# Altium PCB Robot Controller.PcbDoc (part 1 of 2)
Units mil, origin at the board's own origin, x right, y up, seen from the top; angles counter-clockwise.
Board outline 9536.28 x 6487.66 mil, 2 copper layers (Top Layer, Bottom Layer); 219 components, 126 nets, 623 pads, 158 vias.
Unrouted connection lines stored in the file: 51.
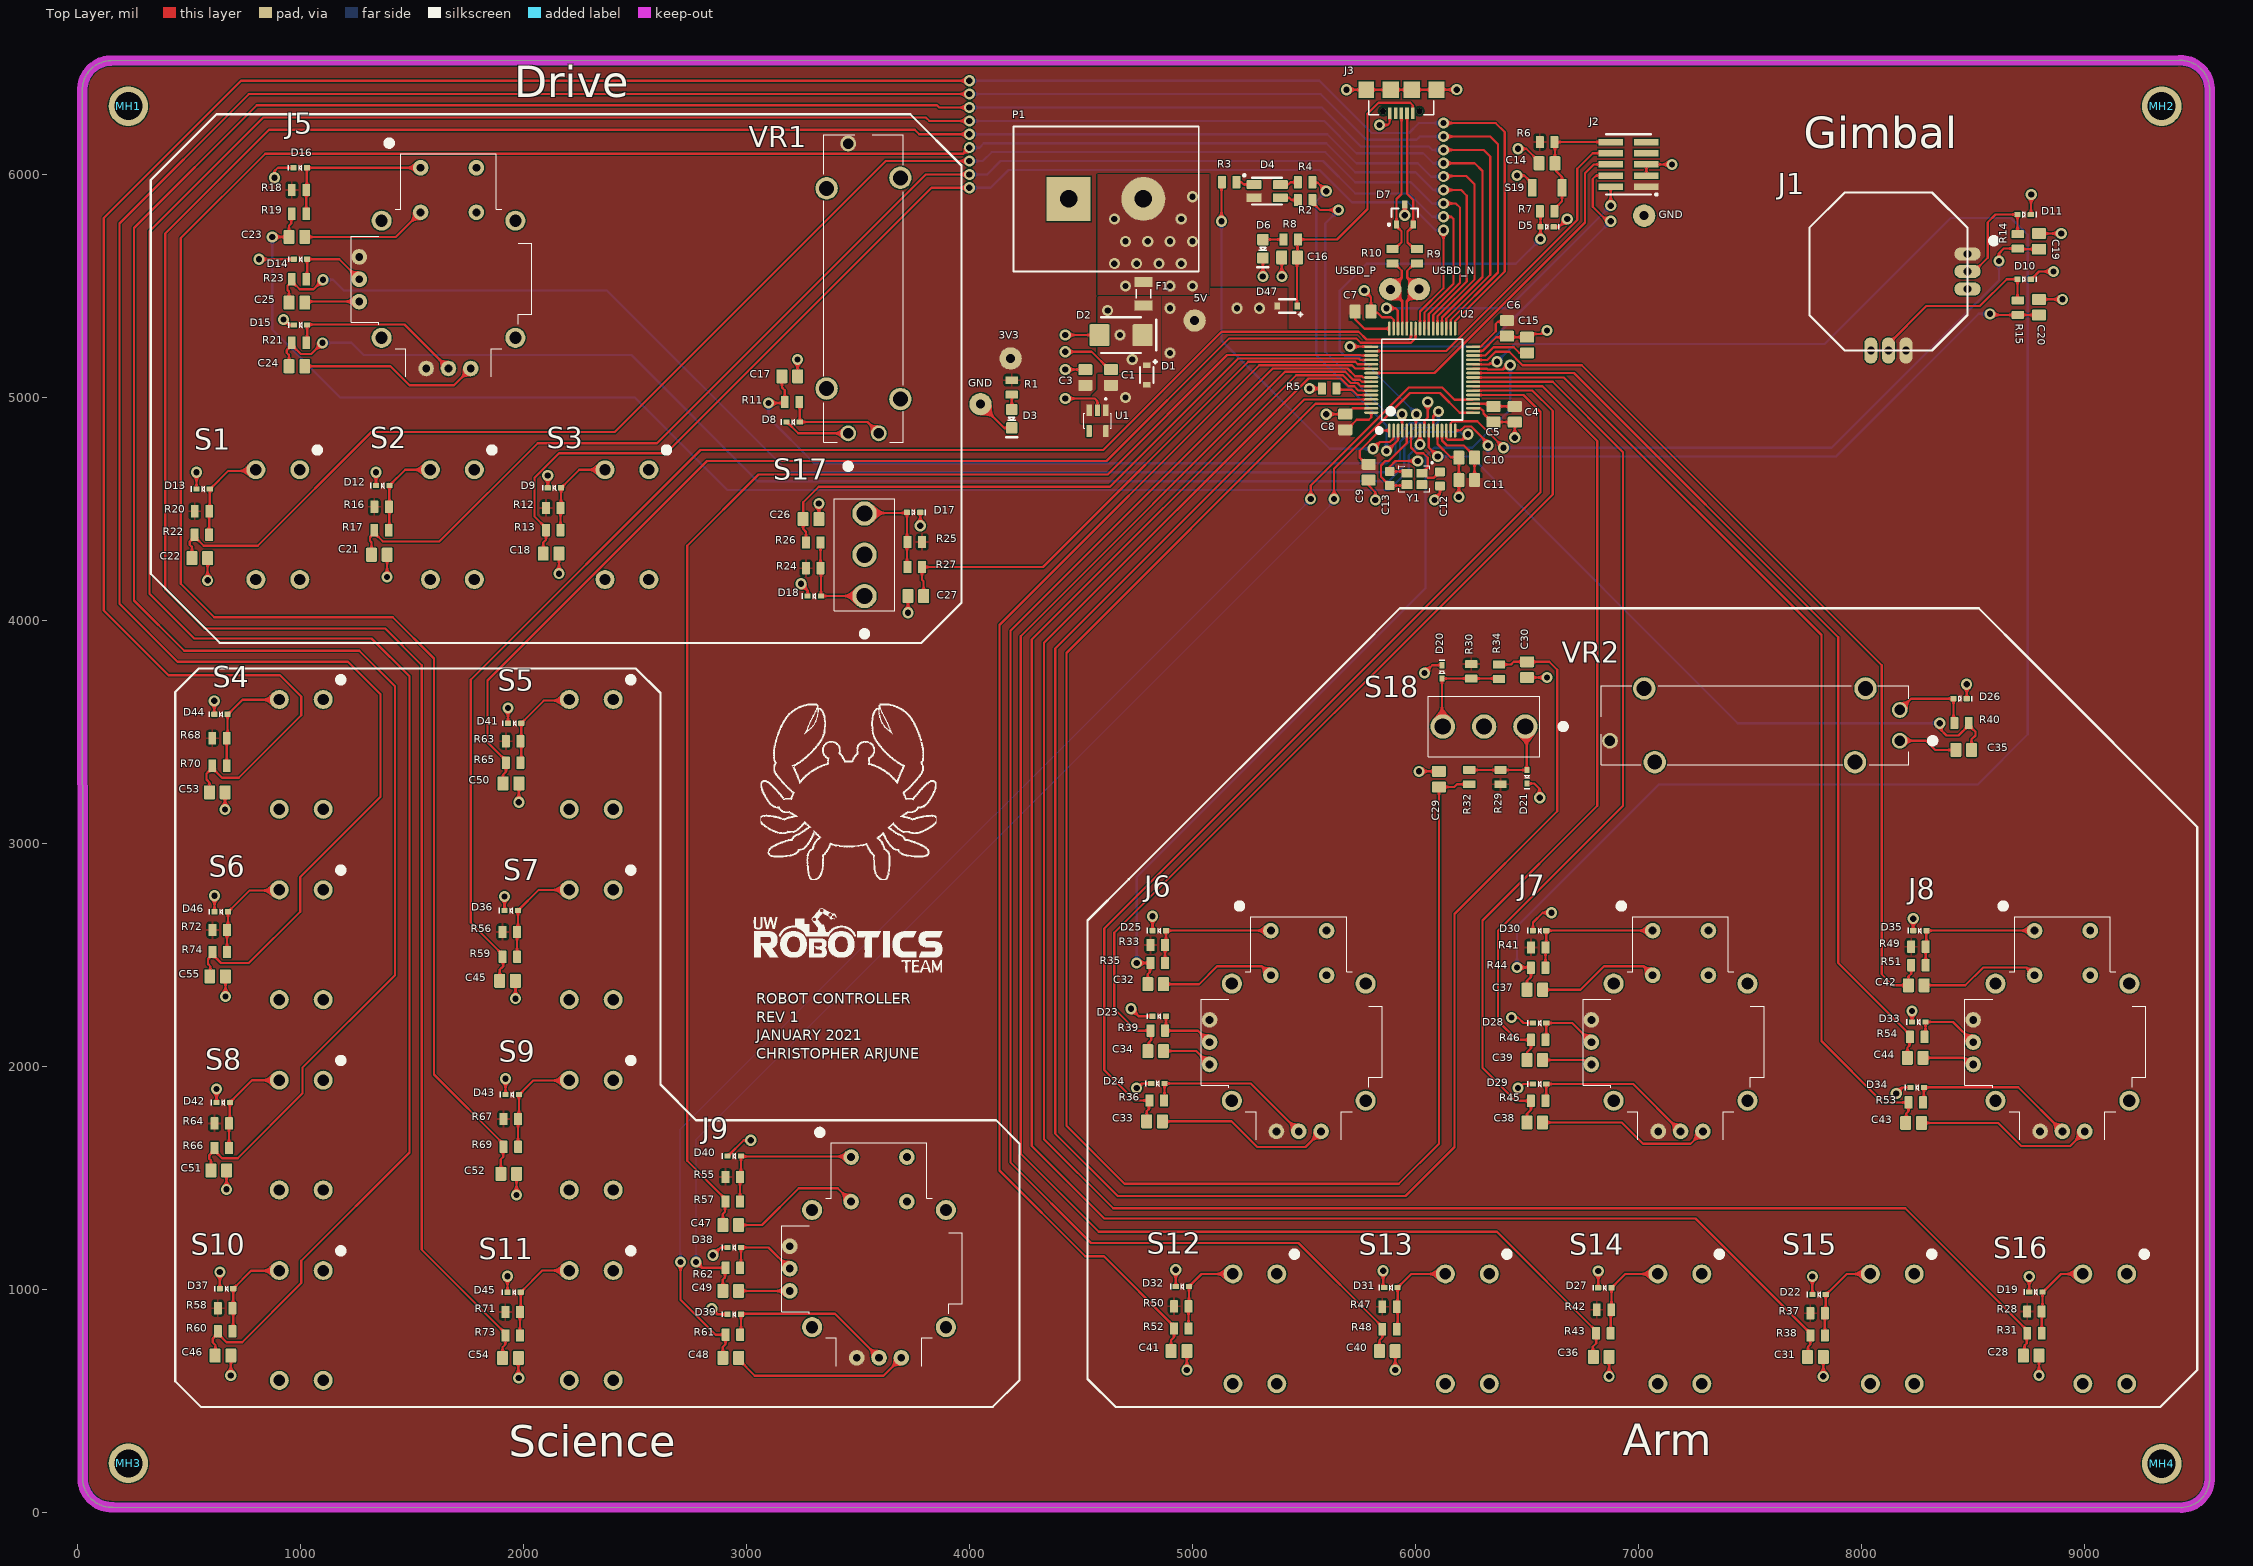
[diagram p0: Top Layer view]
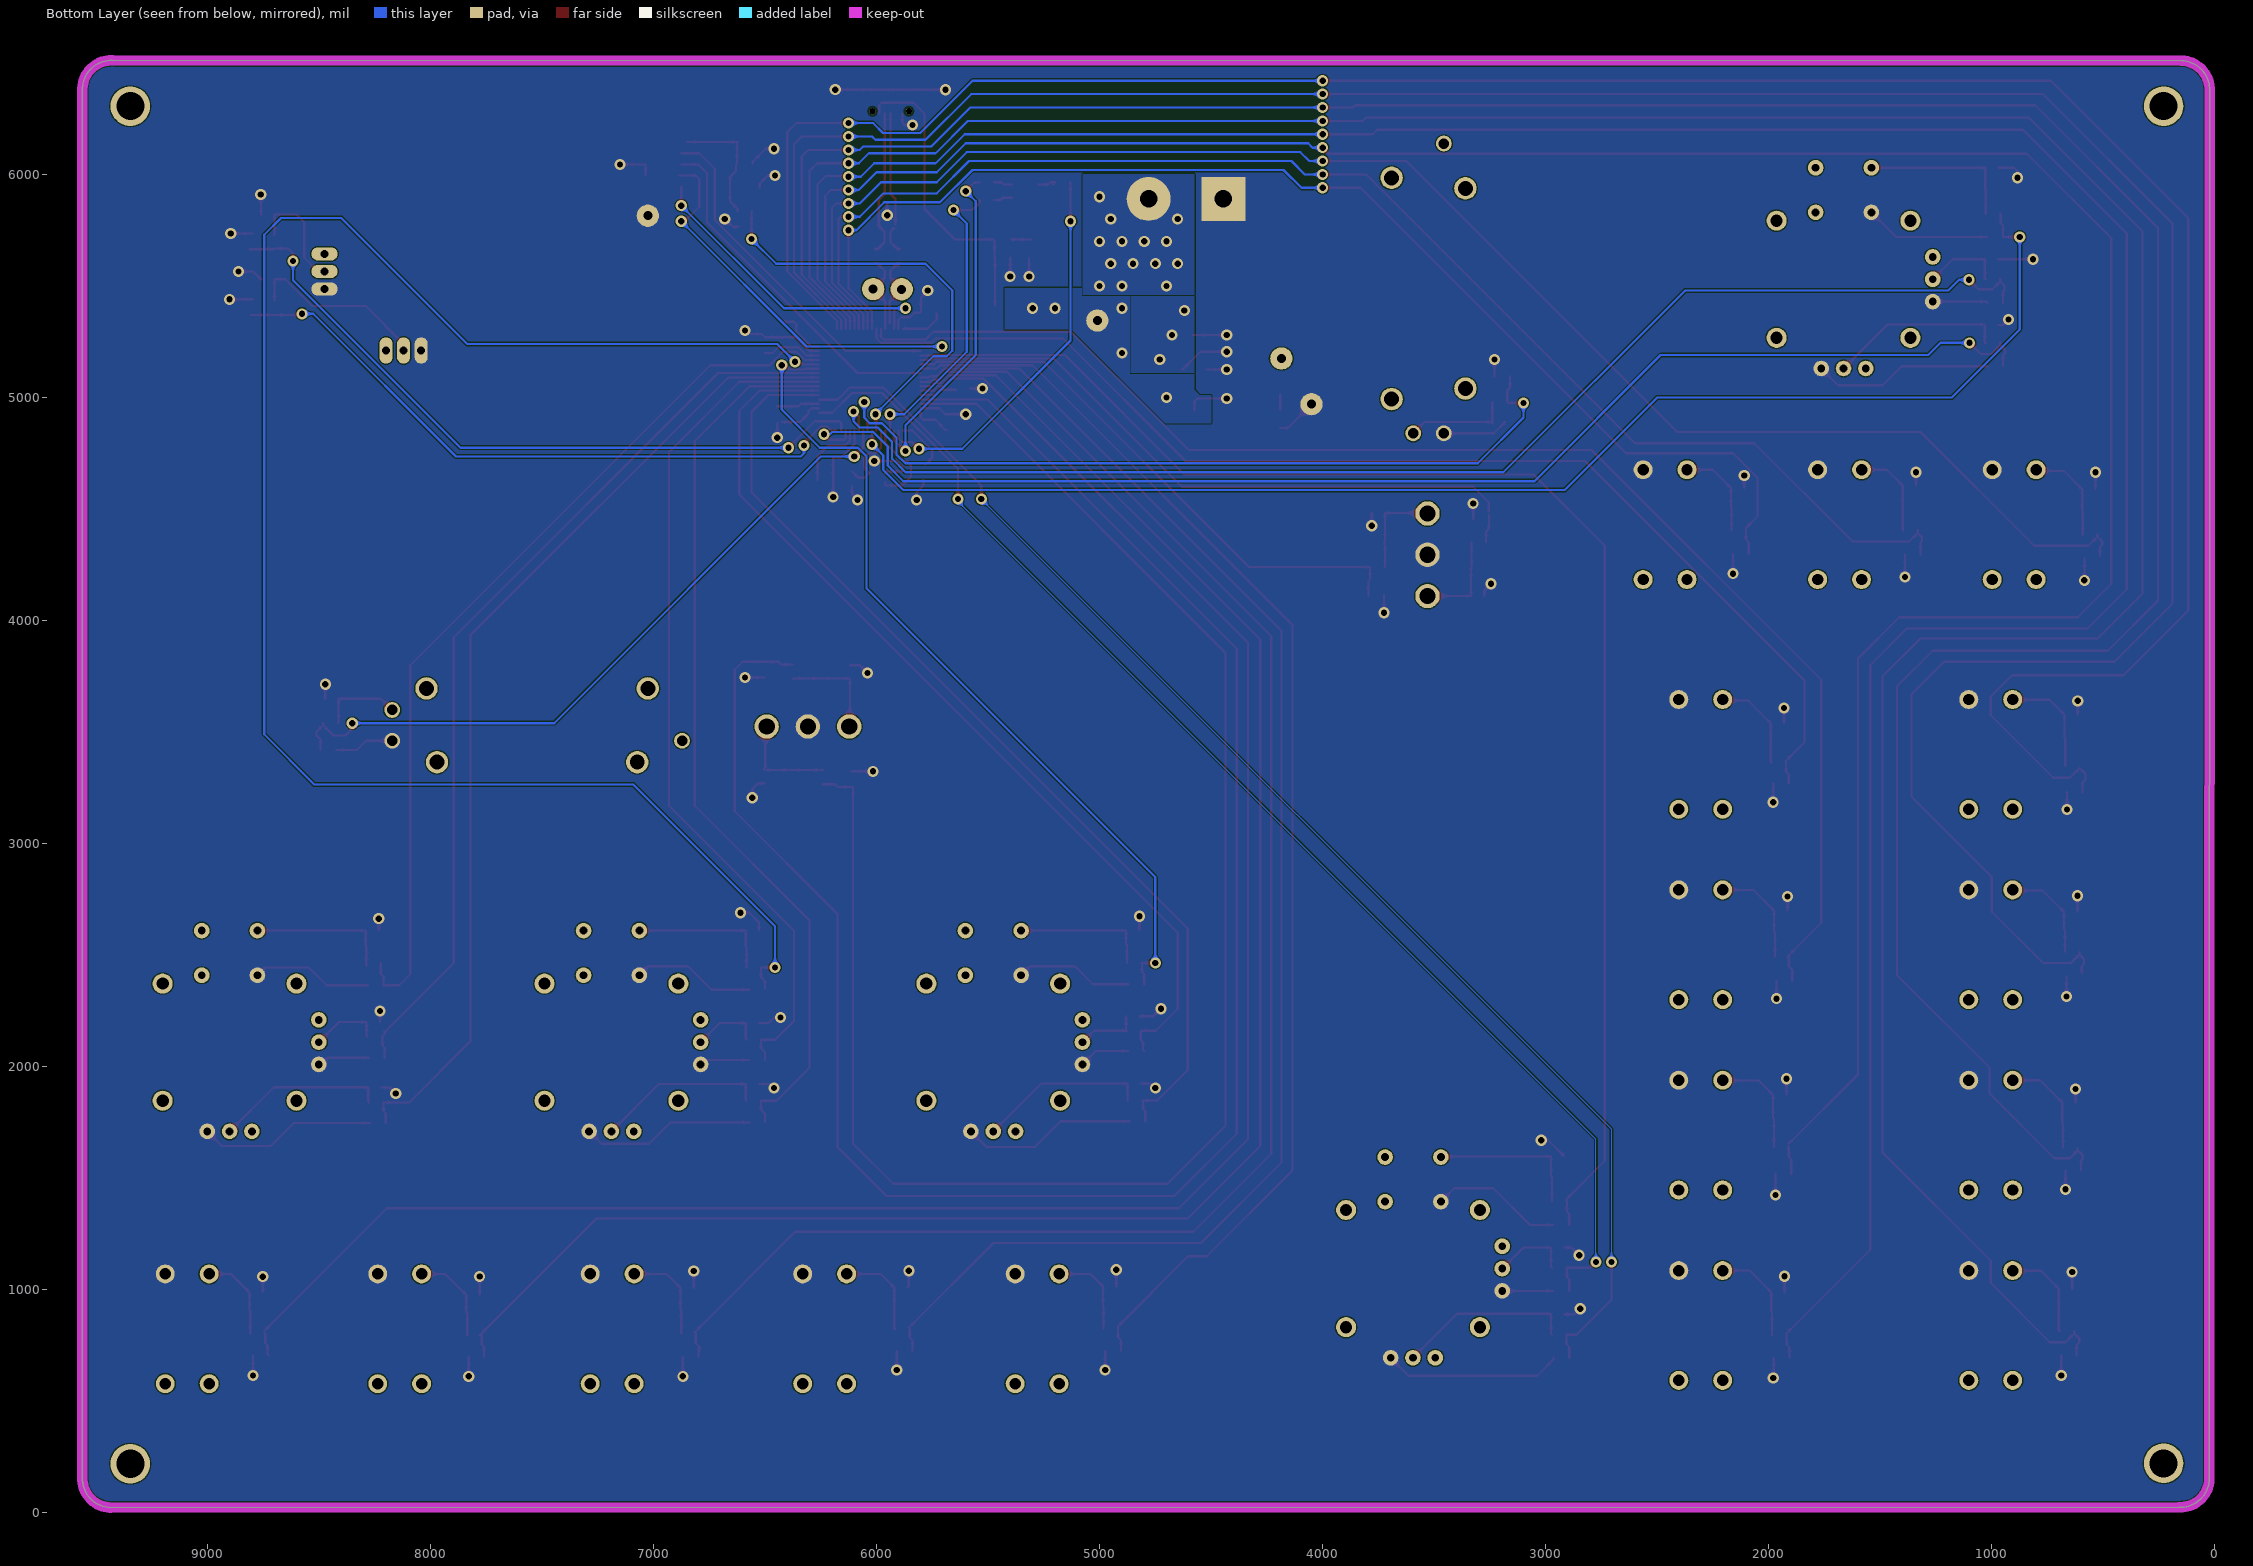
[diagram p1: Bottom Layer view, seen from below]
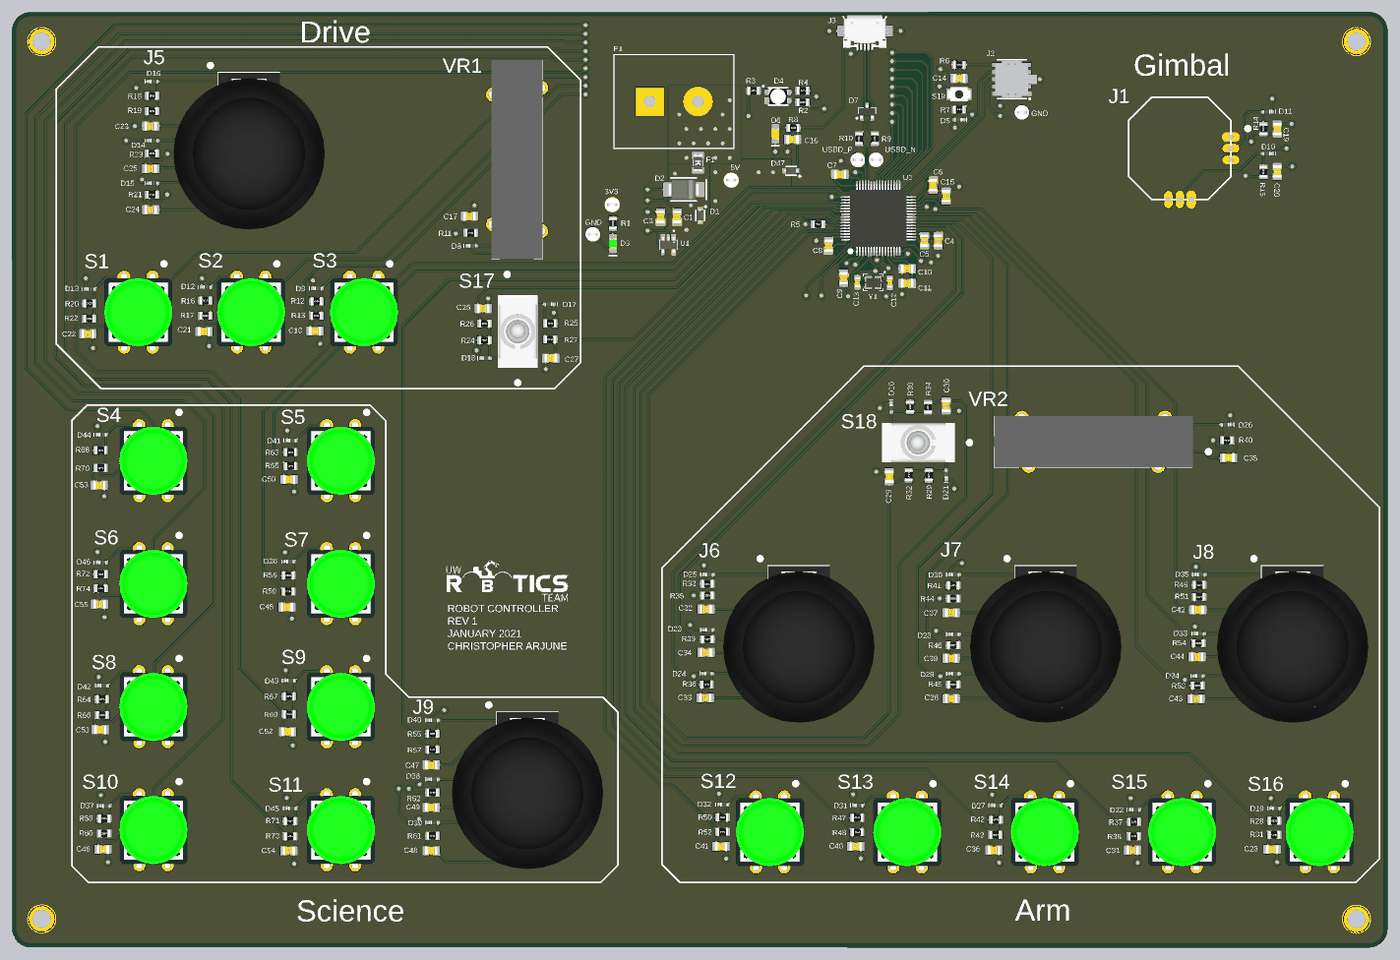
[diagram p3: 3D render of the assembled board from above, using the file's embedded part models]

## Layer stack, top to bottom
Top Solder: solder mask 0.4, Solder Resist, Dk 3.5
Top Layer: signal copper 1.4
Dielectric 1: dielectric 12.6, FR-4, Dk 4.8
Bottom Layer: signal copper 1.4
Bottom Solder: solder mask 0.4, Solder Resist, Dk 3.5

## Board outline
25,150 23.72,6375 cw(c153.72,6380) 148.72,6510 9425,6511.28 cw(c9430,6381.28) 9560,6386.28 9560,158.62 cw(c9430,153.62) 9435,23.62 160,25 cw(c155,155)

## Design rules (kind name [scope] priority, off if disabled: settings)
BoardOutlineClearance [All] p1: gap=7.87 ignorepadtopadclearanceinfootprint=FALSE
Clearance [All] p1: gap=5 ignorepadtopadclearanceinfootprint=TRUE except(9.84: Arc-Hole Track-Hole SMDPad-Hole THPad-Hole Via-Hole Fill-Hole Poly-Hole Region-Hole Text-Hole)
ComponentClearance [All] p1: gap=5 collisioncheckmode=3 verticalgap=5 showdistances=TRUE
DiffPairsRouting [All] p1: maxlimit=10 minlimit=5 mostfreqgap=5 toplayer_minwidth=5 toplayer_maxwidth=1000 toplayer_prefwidth=5 bottomlayer_minwidth=5 bottomlayer_maxwidth=1000 bottomlayer_prefwidth=5 maxuncoupledlength=500
Height [All] p1: minheight=0 maxheight=71497.94 prefheight=500
HoleSize [All] p1: absolutevalues=TRUE maxlimit=248.03 minlimit=11.81 maxpercent=80.000 minpercent=20.000
HoleToHoleClearance [All] p1: gap=9.84 allowstackedmicrovias=FALSE
MinimumAnnularRing [All] p1: minimumring=3
MinimumSolderMaskSliver [All] p1: minsoldermaskwidth=0
PlaneClearance [All] p1: clearance=5
PlaneConnect PlaneConnectPowerPads [InPadClass('PowerPads')] p1: planeconnectstyle=Direct reliefexpansion=20 reliefentries=4 reliefconductorwidth=10 reliefairgap=10
PlaneConnect [All] p2: planeconnectstyle=Direct reliefexpansion=11.81 reliefentries=4 reliefconductorwidth=5 reliefairgap=5
PolygonConnect PolygonConnectPowerPads [All vs (InPadClass('PowerPads'))] p1: connectstyle=Direct reliefconductorwidth=10 reliefentries=4 polygonreliefangle="90 Angle" airgapwidth=10
PolygonConnect [All] p2: connectstyle=Direct reliefconductorwidth=5 reliefentries=4 polygonreliefangle="90 Angle" airgapwidth=5
RoutingVias [All] p1: holewidth=11.81 width=23.62 viastyle="Through Hole" minholewidth=11.81 minwidth=23.62 maxholewidth=23.62 maxwidth=259.84
SilkToSilkClearance [All] p1: silktosilkclearance=0
SilkToSolderMaskClearance [IsPad] p1: minsilkscreentomaskgap=5 clearancetoexposedcopper=TRUE
SolderMaskExpansion [All] p1: expansion=2.95 istentingtop=FALSE
Width [All] p1: maxlimit=1000 minlimit=5 preferedwidth=5 minimp=50.000000 maximp=50.000000 favimp=50.000000
20 further rules are at their usual default settings.

## Classes and differential pairs
differential pair USBD: +USBD_P -USBD_N
differential pair USBD_R: +USBD_R_P -USBD_R_N

## Components (designator, comment, footprint, x,y, rotation, side; value= is the part's Value field where it differs from the comment)
3V3 "TESTPOINT_LOOP" TESTPOINT_LOOP 4185,5175 r0 top (schematic designator TP2)
5V "TESTPOINT_LOOP" TESTPOINT_LOOP 5010,5345 r0 top (schematic designator TP1)
C1 "CAP_1uF_50V_0805" CAP2012 4635,5089.76 r90 top value=1µF
C3 "CAP_1uF_50V_0805" CAP2012 4520,5089.76 r90 top value=1µF
C4 "CAP_0.1uF_50V_0805" CAP2012 6445,4925 r90 top value=0.1µF
C5 "CAP_0.1uF_50V_0805" CAP2012 6350,4925 r90 top value=0.1µF
C6 "CAP_0.1uF_50V_0805" CAP2012 6410,5310 r90 top value=0.1µF
C7 "CAP_0.1uF_50V_0805" CAP2012 5765,5385 r180 top value=0.1µF
C8 "CAP_4.7uF_16V_0805" CAP2012 5685,4890 r270 top value=4.7µF
C9 "CAP_0.1uF_50V_0805" CAP2012 5790,4665 r90 top value=0.1µF
C10 "CAP_0.1uF_50V_0805" CAP2012 6229.76,4730 r0 top value=0.1µF
C11 "CAP_1uF_50V_0805" CAP2012 6229.53,4630 r0 top value=1µF
C12 "CAP_14pF_50V_0603" CAP0603 6110,4635 r90 top value=14pF
C13 "CAP_14pF_50V_0603" CAP0603 5885,4636.5 r270 top value=14pF
C14 "CAP_1uF_50V_0805" CAP2012 6589.76,6050 r0 top value=1µF
C15 "CAP_4.7uF_16V_0805" CAP2012 6500,5235 r270 top value=4.7µF
C16 "CAP_0.1uF_50V_0805" CAP2012 5435.54,5627.83 r180 top value=0.1µF
C17 "CAP_1uF_50V_0805" CAP2012 3195,5095 r180 top value=1µF
C18 "CAP_1uF_50V_0805" CAP2012 2125,4300 r180 top value=1µF
C19 "CAP_1uF_50V_0805" CAP2012 8795,5699.76 r270 top value=1µF
C20 "CAP_1uF_50V_0805" CAP2012 8795,5404.76 r270 top value=1µF
C21 "CAP_1uF_50V_0805" CAP2012 1355,4295 r180 top value=1µF
C22 "CAP_1uF_50V_0805" CAP2012 550,4280 r180 top value=1µF
C23 "CAP_1uF_50V_0805" CAP2012 985.35,5720 r180 top value=1µF
C24 "CAP_1uF_50V_0805" CAP2012 985.35,5140 r180 top value=1µF
C25 "CAP_1uF_50V_0805" CAP2012 985.35,5425 r180 top value=1µF
C26 "CAP_1uF_50V_0805" CAP2012 3290,4455 r180 top value=1µF
C27 "CAP_1uF_50V_0805" CAP2012 3760,4110 r0 top value=1µF
C28 "CAP_1uF_50V_0805" CAP2012 8760,705 r180 top value=1µF
C29 "CAP_1uF_50V_0805" CAP2012 6105,3288.86 r270 top value=1µF
C30 "CAP_1uF_50V_0805" CAP2012 6500,3780 r90 top value=1µF
C31 "CAP_1uF_50V_0805" CAP2012 7792.83,699.15 r180 top value=1µF
C32 "CAP_1uF_50V_0805" CAP2012 4835,2370 r180 top value=1µF
C33 "CAP_1uF_50V_0805" CAP2012 4830,1755 r180 top value=1µF
C34 "CAP_1uF_50V_0805" CAP2012 4835,2070 r180 top value=1µF
C35 "CAP_1uF_50V_0805" CAP2012 8457.52,3420 r0 top value=1µF
C36 "CAP_1uF_50V_0805" CAP2012 6832.83,699.15 r180 top value=1µF
C37 "CAP_1uF_50V_0805" CAP2012 6535,2345 r180 top value=1µF
C38 "CAP_1uF_50V_0805" CAP2012 6534.76,1750 r180 top value=1µF
C39 "CAP_1uF_50V_0805" CAP2012 6534.76,2030 r180 top value=1µF
C40 "CAP_1uF_50V_0805" CAP2012 5873.86,725 r180 top value=1µF
C41 "CAP_1uF_50V_0805" CAP2012 4939.76,725 r180 top value=1µF
C42 "CAP_1uF_50V_0805" CAP2012 8245,2365 r180 top value=1µF
C43 "CAP_1uF_50V_0805" CAP2012 8232.87,1747.97 r180 top value=1µF
C44 "CAP_1uF_50V_0805" CAP2012 8240,2040 r180 top value=1µF
C45 "CAP_1uF_50V_0805" CAP2012 1929.76,2385 r180 top value=1µF
C46 "CAP_1uF_50V_0805" CAP2012 653.86,705 r180 top value=1µF
C47 "CAP_1uF_50V_0805" CAP2012 2930,1290 r180 top value=1µF
C48 "CAP_1uF_50V_0805" CAP2012 2930,695 r180 top value=1µF
C49 "CAP_1uF_50V_0805" CAP2012 2930,995 r180 top value=1µF
C50 "CAP_1uF_50V_0805" CAP2012 1945.24,3270 r180 top value=1µF
C51 "CAP_1uF_50V_0805" CAP2012 635,1535 r180 top value=1µF
C52 "CAP_1uF_50V_0805" CAP2012 1934.76,1520 r180 top value=1µF
C53 "CAP_1uF_50V_0805" CAP2012 628.86,3230 r180 top value=1µF
C54 "CAP_1uF_50V_0805" CAP2012 1942.87,694.15 r180 top value=1µF
C55 "CAP_1uF_50V_0805" CAP2012 630,2405 r180 top value=1µF
D1 "DIO_SCHOTTKY_30V_800mA" SOD-323_UNIDIR 4795,5100 r270 top
D2 "TVS_DIODE_UNIDIR_5V" SMBJ5.0A 4680,5280 r180 top
D3 "LED_GREEN" LED_0805_GREEN 4190,4905 r270 top
D4 "LED_RGB" LED_RGB 5335,5925 r270 top
D5 "TVS_DIODE_UNIDIR_3.3V" SOD523 6589.92,5765 r0 top
D6 "LED_YELLOW" LED_0805_YELLOW 5315.77,5666.49 r270 top
D7 "TVS_DIODE_USB_5.5V" SOT23-3 5952,5820.23 r90 top
D8 "TVS_DIODE_UNIDIR_3.3V" SOD523 3210,4890 r180 top
D9 "TVS_DIODE_UNIDIR_3.3V" SOD523 2140,4595 r180 top
D10 "TVS_DIODE_UNIDIR_3.3V" SOD523 8728.5,5530 r0 top
D11 "TVS_DIODE_UNIDIR_3.3V" SOD523 8728.5,5820 r0 top
D12 "TVS_DIODE_UNIDIR_3.3V" SOD523 1370,4605 r180 top
D13 "TVS_DIODE_UNIDIR_3.3V" SOD523 565,4590 r180 top
D14 "TVS_DIODE_UNIDIR_3.3V" SOD523 1001.5,5620 r180 top